# Altium PCB Main Board.PcbDoc (part 1 of 2)
Units mm, origin at the board's own origin, x right, y up, seen from the top; angles counter-clockwise.
Board outline 100 x 75.8 mm, 4 copper layers (Top Layer, L1, L2, Bottom Layer), stack 1.743 mm thick; 166 components, 146 nets, 691 pads, 603 vias.
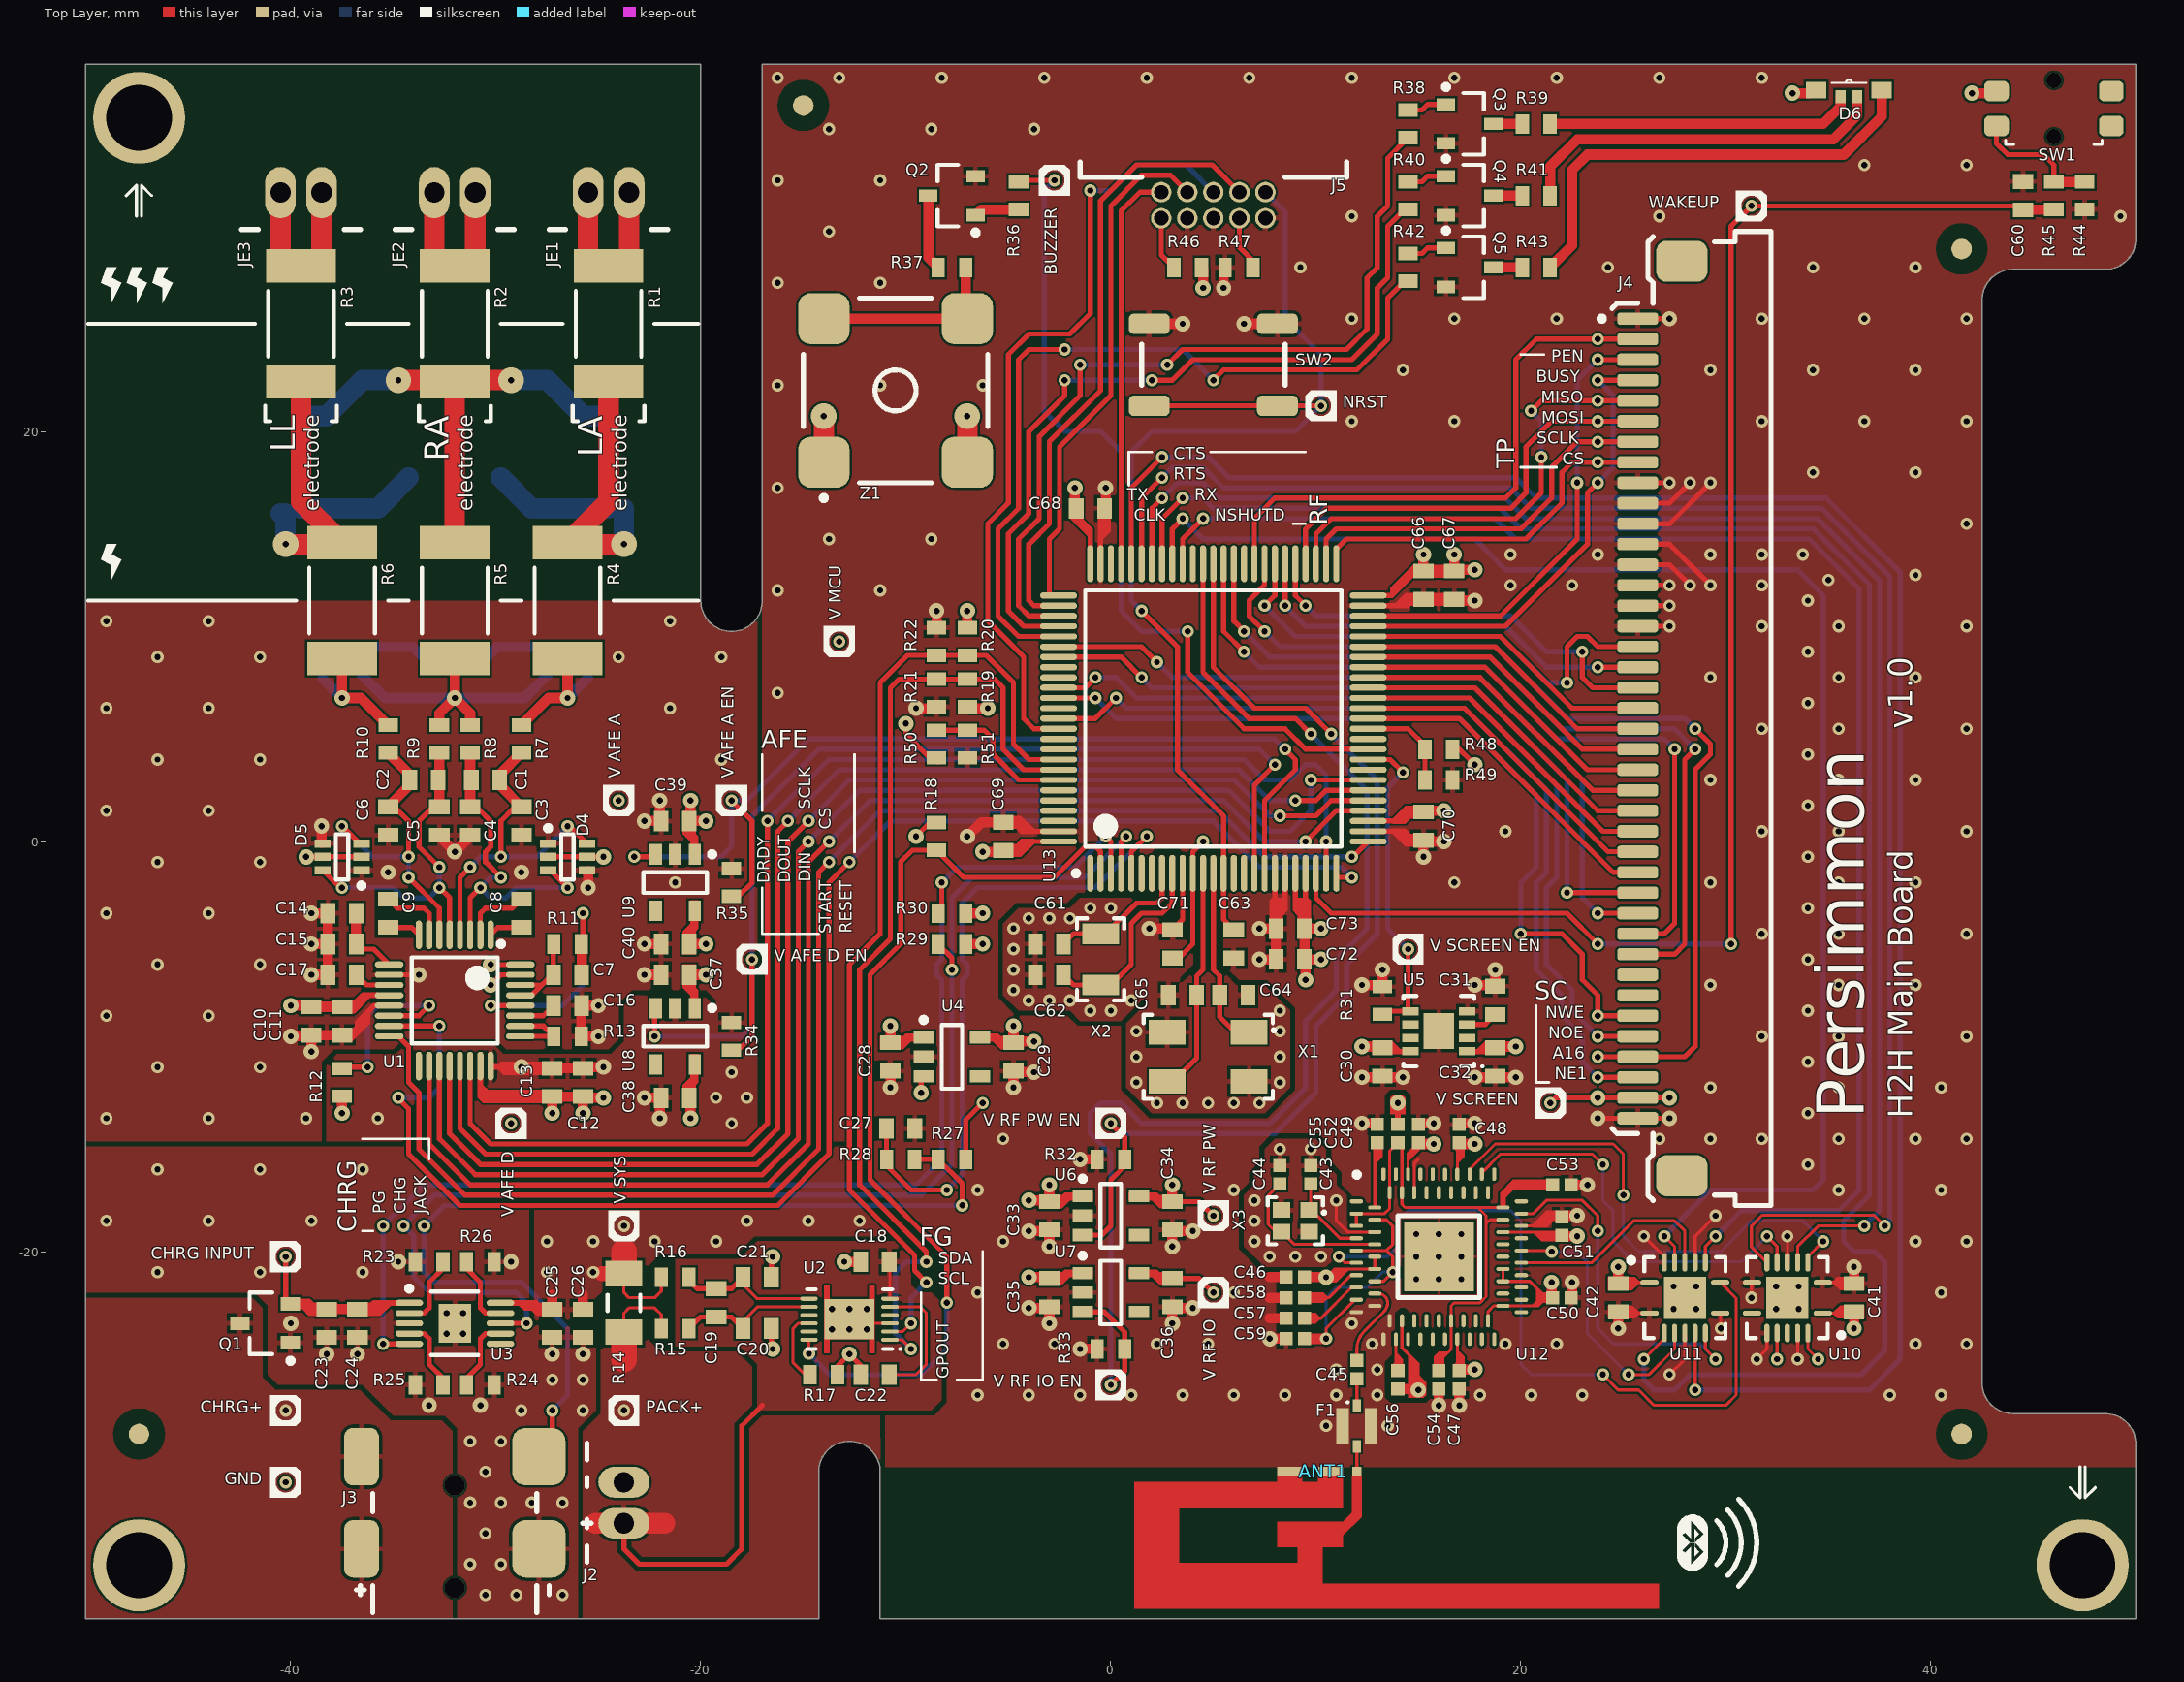
[diagram p0: Top Layer view]
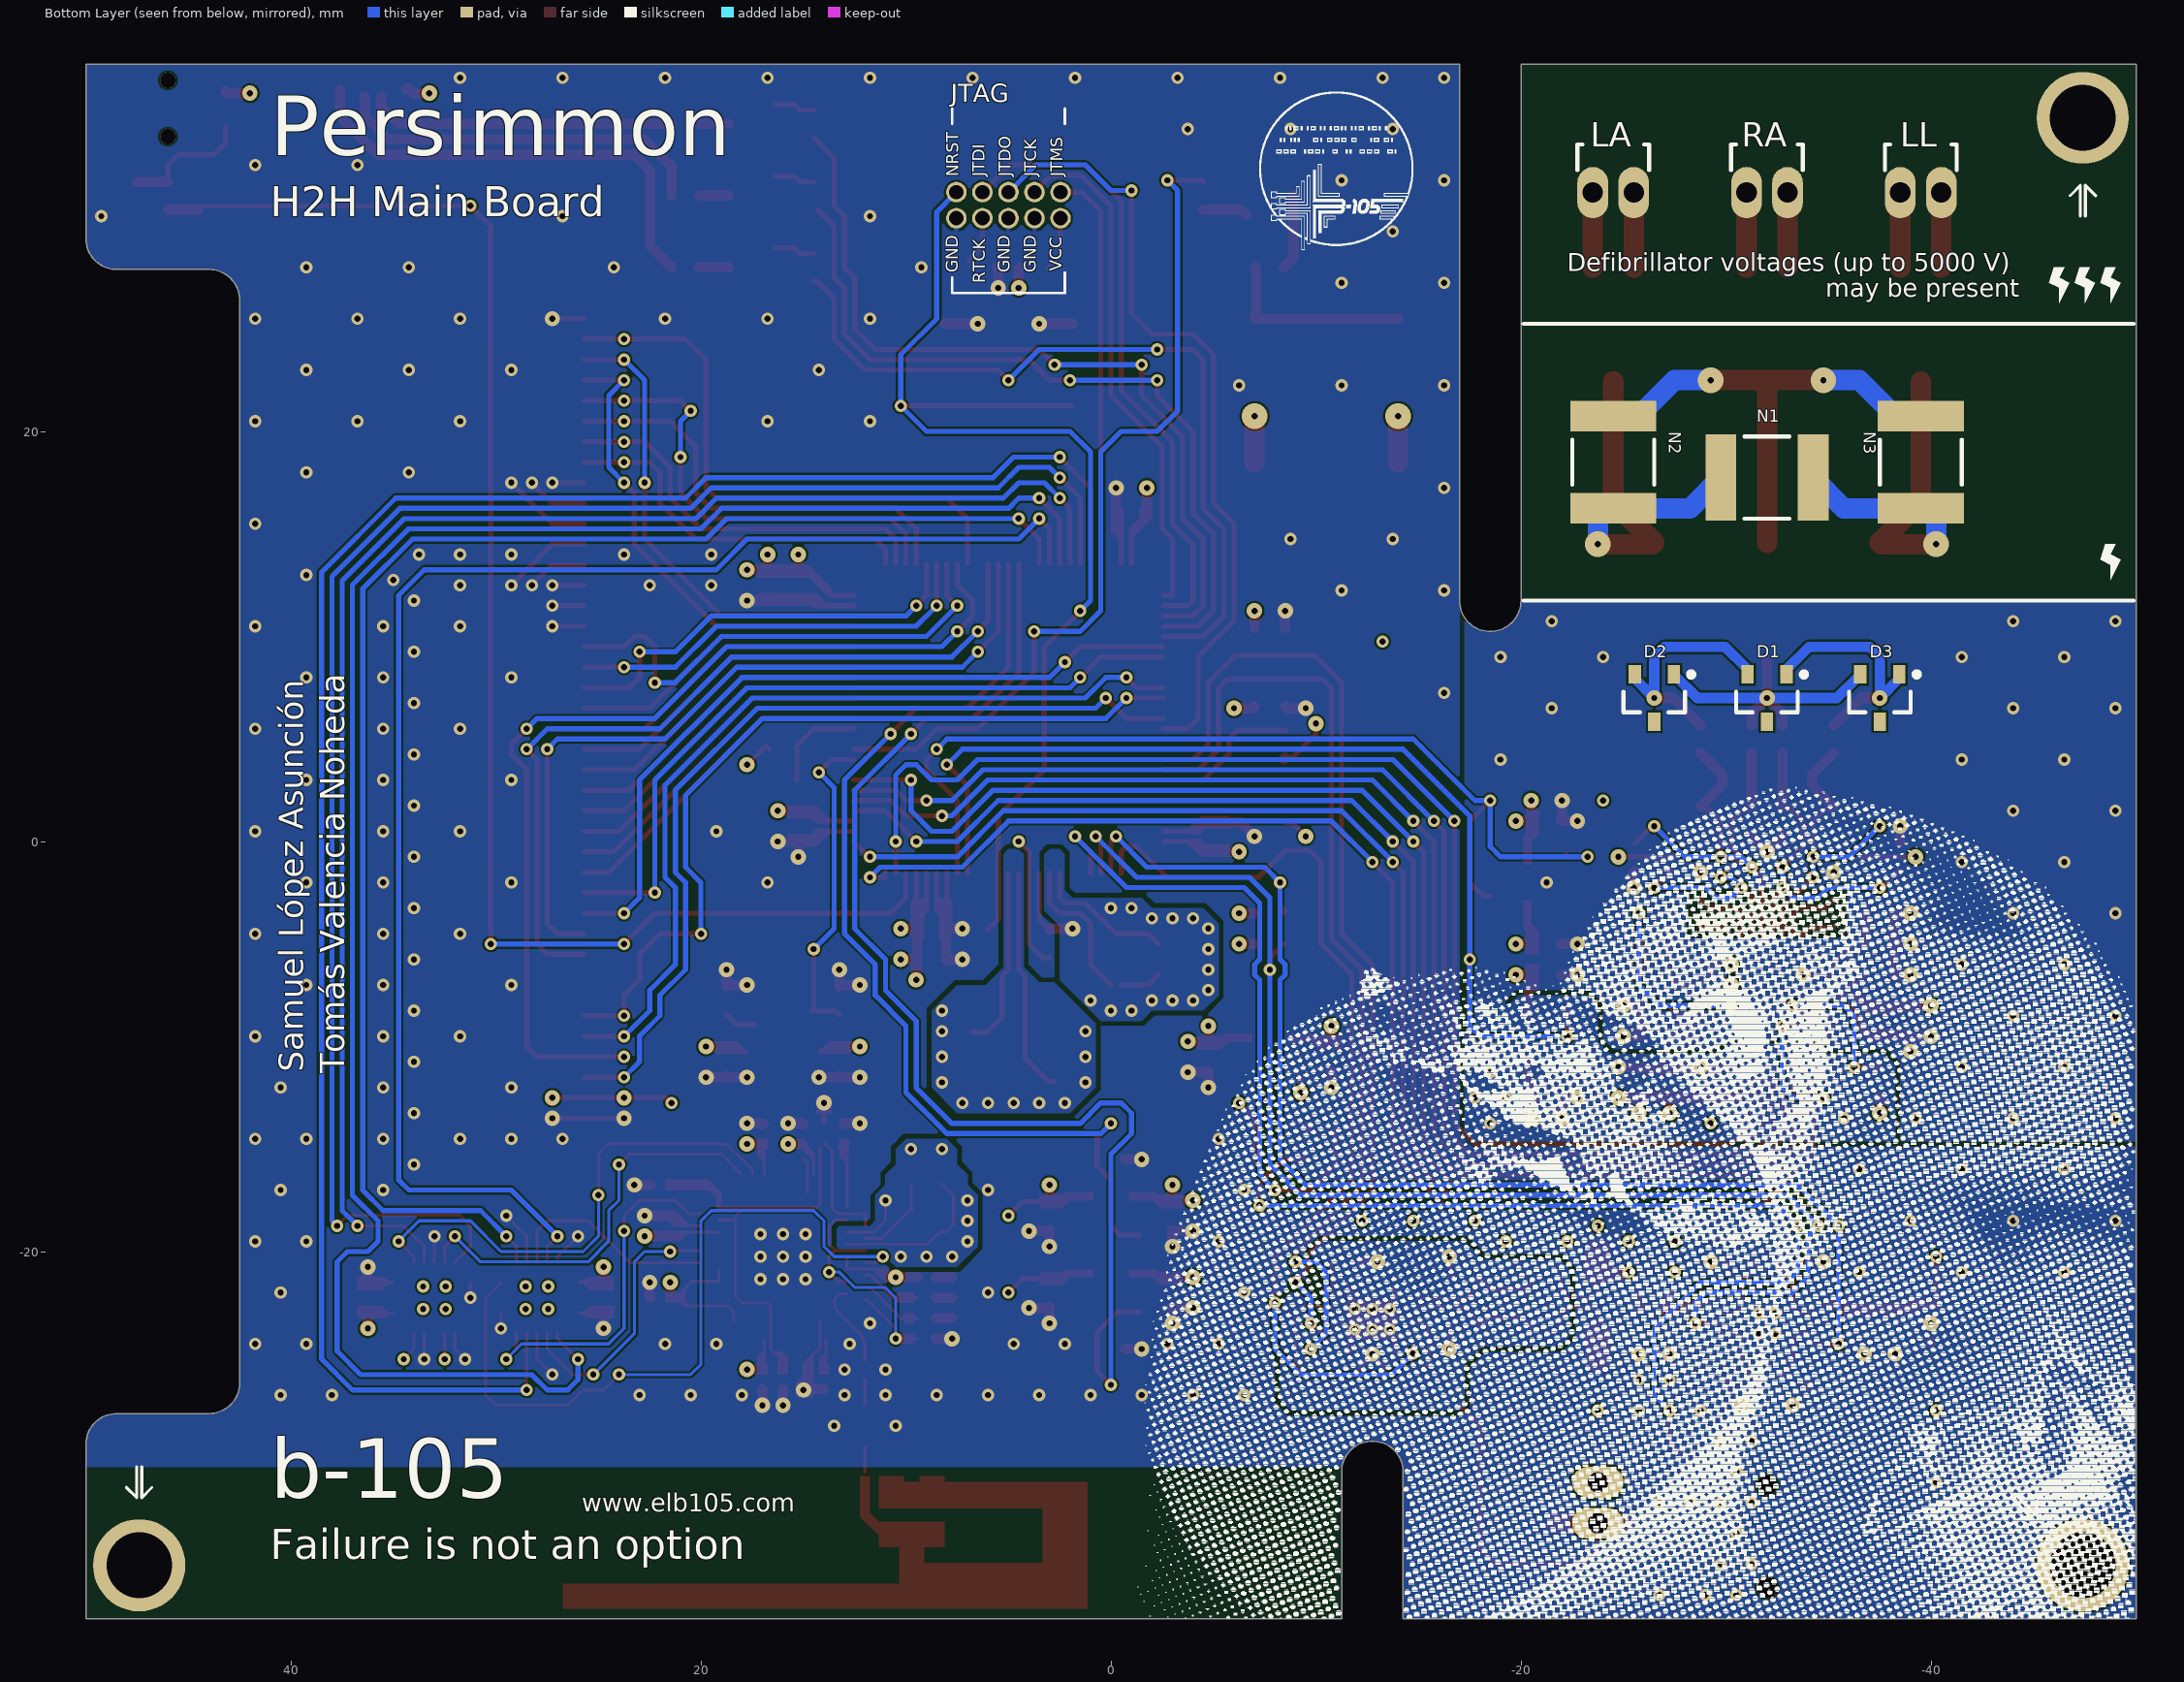
[diagram p1: Bottom Layer view, seen from below]
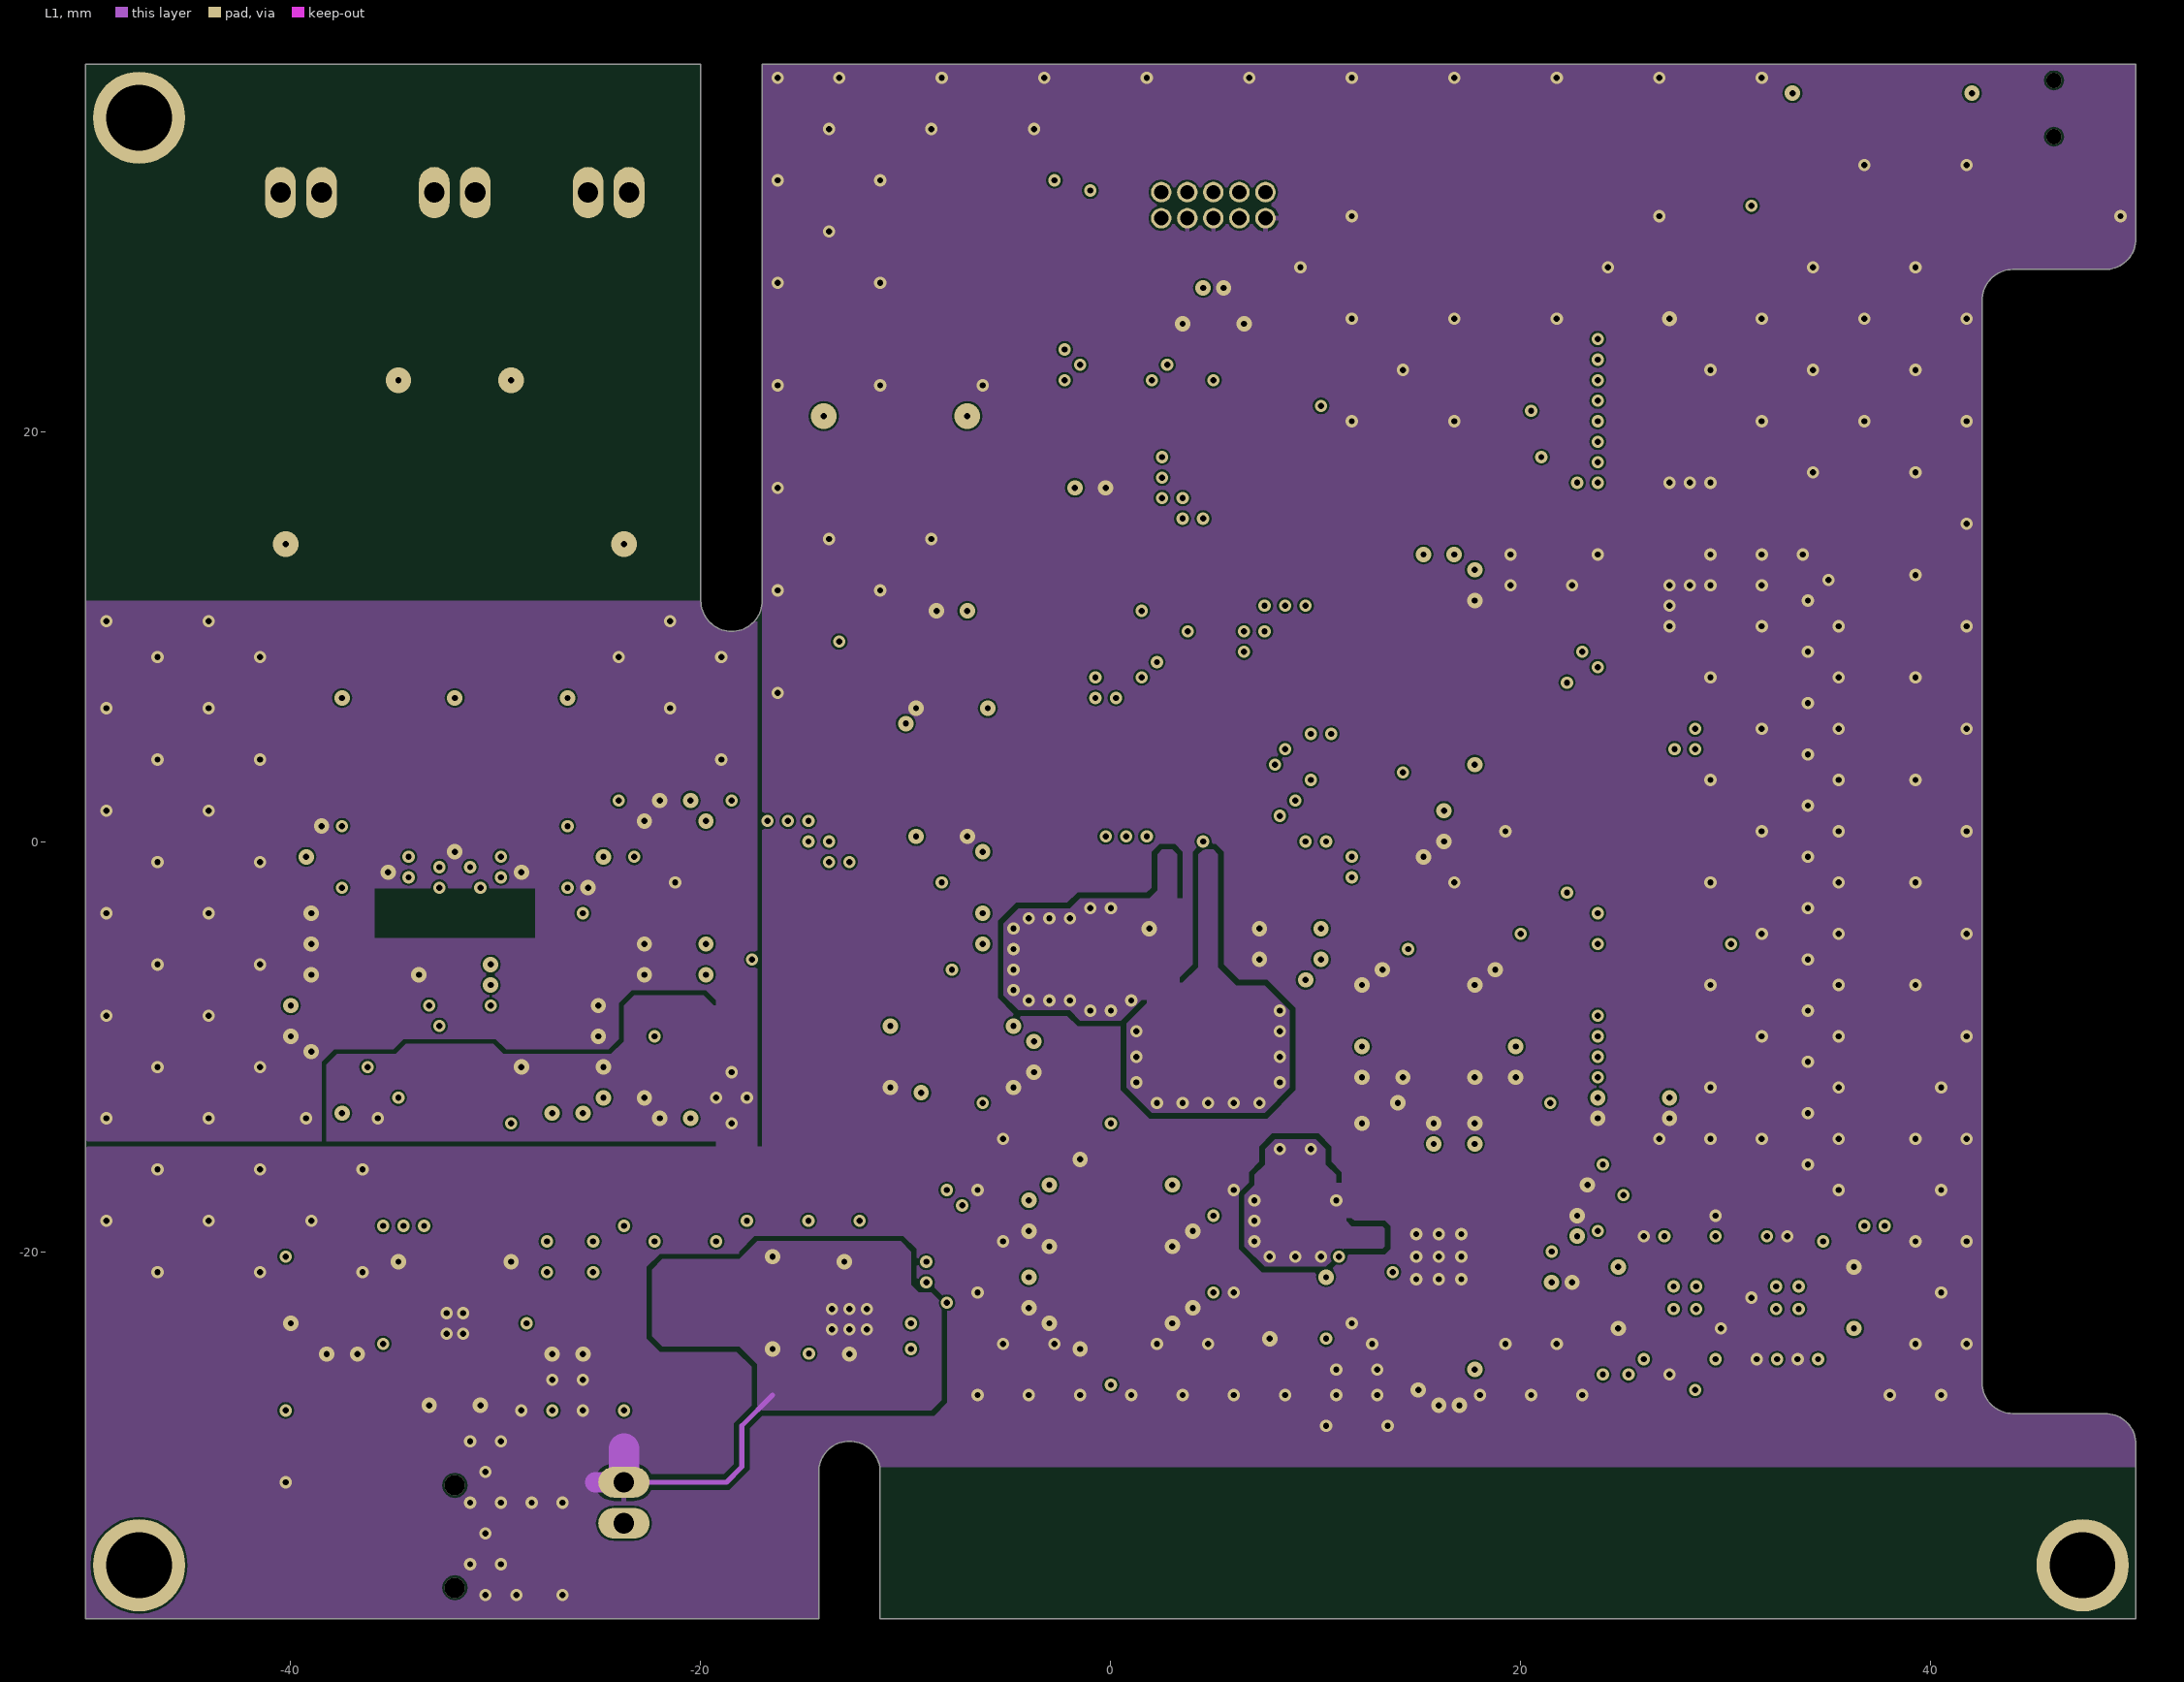
[diagram p2: L1]